# Allegro board gps_interface_boardv46ph.brd (continued)
## Routing (per net, layer and track width the routed paths; a pad name or vN(x,y) marks a point on that pad's centre or on a via; arc(x,y) is an arc through that point) (continued)
N361490: length 234.9
  TOP w0.17: U106.1 145.44,94.86 v1(145.44,95.78) ; v1(132.18,65.51) 132.18,66.29 134.44,68.56 U104.16
  TOP w0.203: U53.9 223.04,17.14 223.55,17.65 223.55,40.39 222.9,41.03 192.87,41.03 v1(189.76,44.15)
  SIG w0.17: v1(145.44,95.78) 146.58,95.78 148.13,94.23 148.13,67.28 146.35,65.51 v1(132.18,65.51) 127.76,65.51 124.94,68.33 114.45,68.33 110.92,64.8 110.92,53.11 114.33,49.71 148.69,49.71 150.47,51.49 187.15,51.49 189.76,48.87 v1(189.76,44.15)
N361502: length 239.7
  TOP w0.17: v1(149.4,93.95) 145.49,93.95 U106.2 ; v1(139.24,63.6) 138.29,64.55 U104.22
  TOP w0.203: U53.8 223.78,16.49 224.69,17.4 224.69,40.72 223.55,41.86 193.83,41.86 v1(191.52,44.17)
  SIG w0.17: v1(149.4,93.95) 148.95,93.5 148.95,64.95 147.6,63.6 v1(139.24,63.6) 126.92,63.6 122.94,67.59 115.57,67.59 111.46,63.47 111.46,53.34 114.33,50.47 148.59,50.47 150.09,51.97 154.79,51.97 155.88,53.06 188.05,53.06 191.52,49.6 v1(191.52,44.17)
N437368: length 14.4
  TOP w0.203: J17.P7 253.62,18.49 J17.P9 253.97,17.22 J17.P8 J17.P6
  BOTTOM w0.203: J17.P9 258.37,18.49 258.43,18.43 R254.2
N437754: length 12.1
  TOP w0.305: J17.P12 245.86,7.16 242.29,7.16 239.6,9.86 R43.2
N437768: length 17.4
  TOP w0.305: R39.2 261.72,17.14 260.78,16.21 260.78,8.74 259.28,7.24 256.59,7.24 J17.P13
N575036: length 5.7
  TOP w0.203: U19.1 91.34,113.89 89.53,115.7 v1(89.53,116.41)
  BOTTOM w0.203: v1(89.53,116.41) 88.87,115.75 R93.1
N575058: length 4.8
  TOP w0.203: U19.2 89.81,113.24 v1(89.64,113.41)
  BOTTOM w0.203: R94.1 89.23,114.38 89.64,113.97 v1(89.64,113.41)
N575080: length 8.1
  TOP w0.203: v1(96.39,112.8) 97.26,111.94 U19.21
  BOTTOM w0.203: v1(96.39,112.8) 97.28,111.91 R95.1
N576735: length 5.6
  TOP w0.203: v1(110.59,27.18) 111.33,27.92 U17.8
  BOTTOM w0.203: v1(110.59,27.18) 110.59,28.96 111.34,29.7 R81.1
N576751: length 4.9
  TOP w0.203: v1(108.18,26.97) 107.74,27.42 U18.8
  BOTTOM w0.203: R82.1 107.74,29.39 108.18,28.95 v1(108.18,26.97)
N635255: length 4.4
  TOP w0.305: D8.2 100.86,97.36 100.84,97.37 v1(99.51,97.37)
  BOTTOM w0.305: Q7.2 v1(99.51,97.37)
N635295: length 4
  TOP w0.305: D8.1 v1(103.19,100.23)
  BOTTOM w0.305: R37.1 103.21,100.04 103.19,100.06 v1(103.19,100.23)
N637994: length 4.9
  TOP w0.203: D15.2 90.46,14.51 90.47,14.51 90.47,13.36 88.84,11.73 Q12.2
N638034: length 4.4
  TOP w0.203: D15.1 v1(87.22,15.21)
  BOTTOM w0.203: R80.1 88.06,16.84 87.22,16 v1(87.22,15.21)
N638123: length 9.1
  TOP w0.203: U15.4 91.6,4.05 91.95,4.39 91.95,10.69 91.61,11.03 Q12.1
N638285: length 5.4
  TOP w0.203: U15.3 89.26,4.05 88.82,3.61 87.55,3.61 87.2,3.96 86.97,3.96 86.96,3.97 R78.2 85.39,3.97 85.36,3.99 R79.1
N638693: length 5
  TOP w0.203: D14.2 85.71,14.54 85.7,14.52 85.7,13.49 83.94,11.72 Q11.2
N638733: length 4.3
  TOP w0.203: v1(84.11,18.24) 84.11,18.23 D14.1
  BOTTOM w0.203: R74.1 v1(84.11,18.24)
N665913: length 2.1
  BOTTOM w0.203: R254.1 262.89,17.53 262.9,17.52 C123.2
N716600: length 2.2
  TOP w0.17: U107.3 137.8,93.76 137.92,93.88 138.18,93.88 138.3,93.76 U107.2
N717829: length 6.8
  TOP w0.203: U107.10 137.8,89.23 137.82,89.21 137.82,88.18 137.89,88.11 137.89,88.06
  TOP w0.33: 137.89,88.06 137.89,87.34 v1(138.25,86.98)
  BOTTOM w0.33: C2748.1 138.28,84.61 137.81,85.08 137.81,86.54 v1(138.25,86.98)
N717833: length 6.8
  TOP w0.203: 137.21,88.06 137.21,88.11 137.28,88.18 137.28,89.21 137.3,89.23 U107.9
  TOP w0.33: 137.21,88.06 137.21,87.36 v1(136.83,86.98)
  BOTTOM w0.33: v1(136.83,86.98) 137.27,86.54 137.27,85.08 136.8,84.61 C2747.1
N727253: length 10.5
  TOP w0.33: L22.1 185.42,25.63 C2750.1 C2749.1 185.52,21.53 QZ1.1 QZ1.6
N755111: length 8.3
  TOP w0.17: U48.8 108.61,80.13 R1540.1 108.02,80.33 107.72,80.04 105,80.04 103.71,81.33 103.27,81.33 C276.2
N755152: length 8.3
  TOP w0.17: U48.9 108.61,79.63 R1540.2 107.94,79.43 107.7,79.68 104.88,79.68 103.56,81 103.27,81 C277.2
N804236: length 2.1
  TOP w0.17: U100.B1 6.12,19.28 R2640.1
N804492: length 3
  TOP w0.17: R2650.1 3.94,21.06 U100.A2

## Copper pours and planes (outline as drawn; the poured copper is in the pictures)
12V_FANS on PWR2: 1.52,131.88 10.26,131.88 10.59,131.55 10.59,69.6 4.22,69.6 4.22,65.28 10.59,65.28 10.59,17.68 11.4,16.87 272.14,16.87 272.67,16.33 272.67,2.26 272.06,1.65 1.83,1.65 1.17,2.31 1.17,131.52
12V_FUSE on TOP: 30.73,27.18 61.01,27.18 61.47,26.72 61.47,14.15 61.01,13.69 49.71,13.69 49.71,21.82 49.66,21.77 30.73,21.77
12V_IN on TOP: 49.38,13.5 60.98,13.5 61.48,13 61.48,2 60.48,1 19.15,1 19.15,4.9 37.97,4.9 37.99,4.92 37.99,15.98 37.82,16.15 37.8,16.13 28.04,16.13 27.99,16.18 27.99,21.51 49.38,21.51
GND_IN on TOP: 19.15,27.18 30.2,27.18 30.2,21.77 27.64,21.77 27.64,15.93 37.21,15.93 37.24,15.9 37.24,10.41 19.15,10.41
GND_POWER on TOP (solid shape): 13.84,68.76 13.03,68.76 13.03,68.43 12.91,68.3 12.91,65.3 13.03,65.18 13.03,65.15 13.11,65.07 20.83,65.07 20.95,64.95 20.95,59.89 20.83,59.77 4.7,59.77 4.55,59.92 4.55,65.02 4.6,65.07 12.5,65.07 12.52,65.08 12.75,65.3 12.75,68.3 12.58,68.47 12.57,68.47 12.57,68.76 11.81,68.76 11.81,70.79 13.84,70.79
GND_POWER on TOP (solid shape): 45.29,50.83 44.48,50.83 44.48,50.49 44.35,50.37 44.35,47.37 44.48,47.25 44.48,47.22 44.55,47.14 52.27,47.14 52.4,47.02 52.4,41.96 52.27,41.83 36.14,41.83 35.99,41.99 35.99,47.09 36.04,47.14 43.94,47.14 43.97,47.15 44.19,47.37 44.19,50.37 44.02,50.54 44.02,50.54 44.02,50.83 43.26,50.83 43.26,52.86 45.29,52.86
GND_POWER on TOP (solid shape): 20.9,74.5 20.9,72.49 20.87,72.48 20.76,72.42 20.66,72.34 13.13,72.34 13.06,72.26 13.06,72.05 12.97,72.05 12.97,71.44 12.98,71.4 12.99,71.35 12.97,71.26 12.89,71.22 12.76,71.22 12.68,71.26 12.67,71.35 12.68,71.4 12.68,71.44 12.68,72.05 12.6,72.05 12.6,72.26 12.52,72.34 4.62,72.34 4.55,72.42 4.55,74.45 4.65,74.55 20.85,74.55
GND_POWER on TOP (solid shape): 104.22,93.95 104.22,91.08 104.09,90.96 100.03,90.96 99.96,91.03 99.86,91.05 99.06,91.05 98.96,91.02 98.88,90.94 98.86,90.91 98.86,89.97 98.78,89.97 98.73,89.92 98.73,87.93 93.6,87.93 93.52,88.01 93.52,88.88 96.95,88.88 97.15,89.08 97.15,90.02 97.07,90.1 97.07,90.2 97.06,90.26 97.03,90.32 97.02,90.35 97.03,90.38 97.06,90.44 97.07,90.5 97.07,90.82 97.1,90.85 97.1,92.46 96.9,92.66 93.52,92.66 93.52,93.98 93.62,94.08 104.09,94.08
GND_POWER on TOP: 14.78,21.49 18.9,21.49 18.9,18.77 14.78,18.77
GND_POWER on TOP: 56.57,70.74 60.73,70.74 60.93,70.54 60.93,65.53 60.71,65.3 56.64,65.3 56.39,65.56 56.39,70.56
GND_POWER on TOP: 43.99,87.2 43.99,86.21 44.04,86.16 44.4,86.16 44.45,86.21 44.45,87.2 44.53,87.27 52.25,87.27 52.3,87.33 52.3,89.43 52.25,89.48 36.04,89.48 35.94,89.38 35.94,87.35 36.02,87.27 43.92,87.27
GND_POWER on TOP: 53.19,57.51 65.3,57.51 65.53,57.28 65.53,54.53 65.41,54.41 44.58,54.41 44.5,54.33 44.5,53.34 44.45,53.29 44.09,53.29 44.04,53.34 44.04,54.33 43.97,54.41 36.07,54.41 35.99,54.48 35.99,56.52 36.09,56.62 52.3,56.62
GND_POWER on TOP: 56.36,80.75 56.36,85.75 56.54,85.93 62.92,85.93 63.17,85.67 63.17,80.64 63.02,80.49 56.62,80.49
GND_POWER on TOP: 1.22,34.54 25.76,34.54 25.76,57.15 1.22,57.15
GND_POWER on TOP: 19.56,33.15 30.2,33.15 30.2,27.41 19.15,27.41 19.15,32.74
GND_POWER on TOP: 43.23,70.87 45.26,70.87 45.26,68.83 44.45,68.83 44.45,65.23 44.53,65.15 52.25,65.15 52.37,65.02 52.37,59.97 52.25,59.84 36.12,59.84 35.97,59.99 35.97,65.1 36.02,65.15 43.92,65.15 43.99,65.23 43.99,68.83 43.23,68.83
GND_POWER on TOP: 43.13,85.8 45.31,85.8 45.31,83.62 44.42,83.62 44.42,80.09 44.5,80.01 52.22,80.01 52.35,79.88 52.35,72.49 52.27,72.42 44.55,72.42 44.48,72.34 44.48,71.35 44.42,71.3 44.07,71.3 44.02,71.35 44.02,72.34 43.94,72.42 36.04,72.42 35.97,72.49 35.97,72.52 35.94,72.54 35.94,79.96 35.99,80.01 43.89,80.01 43.97,80.09 43.97,83.62 43.13,83.62
GND_POWER on GND1: 1.85,150.47 302.92,150.47 302.92,2 1.85,2
GND_POWER on GND2: 302.92,1.98 1.98,1.98 1.98,150.47 302.92,150.47 ; 1 cut-out
GND_POWER on GND3: 2,150.47 302.92,150.47 302.92,2 2,2 ; 1 cut-out
VCC2V5 on TOP (solid shape): 96.85,92.35 96.85,91.05 96.07,91.05 95.98,91.03 95.91,90.98 95.16,90.98 95,91.06 94.82,91.08 94.62,91.05 94.44,90.94 94.42,90.93 94.28,90.93 94.26,90.91 94.26,90.67 94.26,90.67 94.23,90.5 94.26,90.33 94.26,90.33 94.26,90.02 94.28,89.99 94.53,89.99 94.54,89.99 94.67,89.93 94.82,89.92 94.97,89.93 95.11,89.99 95.87,89.99 95.87,89.85 95.92,89.71 96.07,89.65 96.89,89.65 96.89,89.17 96.85,89.13 93.57,89.13 93.52,89.18 93.52,92.35 93.57,92.41 96.8,92.41
VCC2V5 on TOP: 52.78,54 65.35,54 65.53,53.82 65.53,47.52 65.38,47.37 52.6,47.37 52.45,47.52 52.45,53.67
VCC2V5 on PWR2: 32.26,129.18 155.02,129.18 155.5,128.7 155.5,98.83 155.91,98.42 293.67,98.42 293.67,48.49 293.24,48.06 267.03,48.06 266.75,47.78 266.75,29.97 267.16,29.57 293.55,29.57 293.67,29.44 293.67,18.14 293.5,17.96 31.88,17.96 31.88,128.8 ; 1 cut-out
VCC3V3 on TOP: 56.46,79.65 62.94,79.65 63.17,79.43 63.17,71.83 62.99,71.65 56.64,71.65 56.39,71.91 56.39,79.58
VCC3V3 on PWR1: 45.52,88.54 1.57,88.54 1.22,88.9 1.22,149.78 2.41,150.98 302.49,150.98 303.1,150.37 303.1,2.03 302.59,1.52 46.38,1.52 45.85,2.06 45.85,88.21 ; 1 cut-out
VCC5V on TOP (solid shape): 27.79,70.87 27.79,65.41 27.68,65.3 23.48,65.3 23.11,65.43 22.75,65.3 21.18,65.3 21.18,71.02 27.64,71.02
VCC5V on PWR2: 147.83,150.9 147.96,151.03 148.01,150.98 300.51,150.98 300.53,151 302.49,151 303.15,150.34 303.15,2.51 302.34,1.7 274.12,1.7 273.41,2.41 273.41,16.66 273.99,17.25 293.8,17.25 294.34,17.78 294.34,29.46 293.8,30 268.3,30 267.49,30.81 267.49,46.89 268.05,47.45 293.4,47.45 293.42,47.42 294.89,47.42 295.4,47.93 295.4,119.3 157.12,119.3 156.84,119.58 156.84,128.78 155.98,129.64 31.67,129.64 31.62,129.69 31.29,129.36 31.29,66.04 16.21,66.04 16.21,71.04 11.66,71.04 11.66,131.85 11.1,132.41 1.22,132.41 1.22,150.47 1.65,150.9
VCCR_SFP INTERFACE_SFP1 on PWR2: 275.11,118.75 284.45,118.75 284.66,118.54 284.66,98.83 284.48,98.65 275.11,98.65 274.9,98.86 274.9,118.54
VCCR_SFP INTERFACE_SFP2 on PWR2: 252.98,118.75 262.33,118.75 262.53,118.54 262.53,98.86 262.36,98.68 252.98,98.68 252.78,98.88 252.78,118.54
VCCR_SFP INTERFACE_SFP3 on PWR2: 230.68,118.72 240.03,118.72 240.23,118.52 240.23,98.86 240.06,98.68 230.68,98.68 230.48,98.88 230.48,118.52
VCCR_SFP INTERFACE_SFP4 on PWR2: 201.5,118.72 210.85,118.72 211.05,118.52 211.05,98.88 210.87,98.7 201.5,98.7 201.29,98.91 201.29,118.52
VCCR_SFP INTERFACE_SFP5 on PWR2: 179.25,118.72 188.59,118.72 188.8,118.52 188.8,113.84 188.82,113.82 188.82,98.88 188.65,98.7 179.27,98.7 179.07,98.91 179.07,113.64 179.04,113.67 179.04,118.52
VCCR_SFP INTERFACE_SFP6 on PWR2: 157.05,118.72 166.4,118.72 166.6,118.52 166.6,98.86 166.42,98.68 157.05,98.68 156.84,98.88 156.84,118.52
VCCT_SFP INTERFACE_SFP1 on PWR2: 285.04,118.75 294.39,118.75 294.59,118.54 294.59,98.83 294.41,98.65 285.04,98.65 284.84,98.86 284.84,118.54
VCCT_SFP INTERFACE_SFP2 on PWR2: 262.99,118.75 272.34,118.75 272.54,118.54 272.54,98.86 272.36,98.68 262.99,98.68 262.79,98.88 262.79,118.54
VCCT_SFP INTERFACE_SFP3 on PWR2: 240.69,118.69 250.04,118.69 250.24,118.49 250.24,98.86 250.06,98.68 240.69,98.68 240.49,98.88 240.49,118.49
VCCT_SFP INTERFACE_SFP4 on PWR2: 211.51,118.72 220.85,118.72 221.06,118.52 221.06,98.88 220.88,98.7 211.51,98.7 211.3,98.91 211.3,118.52
VCCT_SFP INTERFACE_SFP5 on PWR2: 189.26,118.72 198.6,118.72 198.81,118.52 198.81,98.88 198.63,98.7 189.26,98.7 189.05,98.91 189.05,118.52
VCCT_SFP INTERFACE_SFP6 on PWR2: 167.06,118.72 176.4,118.72 176.61,118.52 176.61,98.86 176.43,98.68 167.06,98.68 166.85,98.88 166.85,118.52
VDD_FILT on TOP: 99.77,90.86 105.41,90.86 105.49,90.78 105.49,89.26 105.36,89.13 98.91,89.13 98.86,89.18 98.86,89.81 98.91,89.87 99.72,89.87 99.72,90.81
VDD_FILT on PWR2: 97.21,94.39 109.09,94.39 109.42,94.06 109.42,85.78 109.8,85.39 119.63,85.39 119.84,85.19 119.84,74.45 119.61,74.22 104.24,74.22 104.04,74.42 104.04,76.45 105.94,78.36 109.52,78.36 109.8,78.64 111.38,78.64 111.56,78.82 111.56,80.77 111.2,81.13 109.86,81.13 109.47,81.51 105.89,81.51 101.24,86.16 96.93,86.16 96.93,94.11
(no net) on TOP: 96.85,89.13 93.57,89.13 93.52,89.18 93.52,92.35 93.57,92.41 96.8,92.41 96.85,92.35 96.85,90.96 96.82,90.93 94.28,90.93 94.26,90.91 94.26,90.02 94.28,89.99 96.82,89.99 96.9,89.92 96.9,89.18
(no net) on TOP: 18.03,71.02 20.83,71.02 20.93,70.92 20.93,65.46 20.8,65.33 13.23,65.33 13.16,65.41 13.16,68.2 13.18,68.22 14.35,68.22 14.38,68.25 14.38,69.42 14.4,69.44 17.81,69.44 17.96,69.6 17.96,70.94
(no net) on TOP: 11.81,70.79 13.84,70.79 13.84,68.76 13.03,68.76 13.03,65.15 13.11,65.07 20.83,65.07 20.95,64.95 20.95,59.89 20.83,59.77 4.7,59.77 4.55,59.92 4.55,65.02 4.6,65.07 12.5,65.07 12.57,65.15 12.57,68.76 11.81,68.76
(no net) on TOP: 21.01,70.87 21.01,65.46 21.16,65.3 27.69,65.3 27.79,65.41 27.79,70.87 27.64,71.02 21.16,71.02
(no net) on TOP: 36.04,51.51 42.67,51.51 42.72,51.46 42.72,50.37 42.8,50.29 43.92,50.29 43.94,50.27 43.94,47.47 43.87,47.4 36.04,47.4 35.99,47.45 35.99,51.46
(no net) on TOP: 98.73,87.93 93.6,87.93 93.52,88.01 93.52,88.98 93.57,89.03 96.93,89.03 96.98,89.08 96.98,92.51 96.9,92.58 93.52,92.58 93.52,93.98 93.62,94.08 104.09,94.08 104.22,93.95 104.22,91.08 104.09,90.96 98.91,90.96 98.86,90.91 98.86,89.99 98.88,89.97 98.78,89.97 98.73,89.92
(no net) on TOP: 12.6,72.26 12.6,71.27 12.65,71.22 13,71.22 13.06,71.27 13.06,72.26 13.13,72.34 20.85,72.34 20.9,72.39 20.9,74.5 20.85,74.55 4.65,74.55 4.55,74.45 4.55,72.42 4.62,72.34 12.52,72.34
(no net) on TOP: 43.26,52.86 45.29,52.86 45.29,50.83 44.48,50.83 44.48,47.22 44.55,47.14 52.27,47.14 52.4,47.02 52.4,41.96 52.27,41.83 36.14,41.83 35.99,41.99 35.99,47.09 36.04,47.14 43.94,47.14 44.02,47.22 44.02,50.83 43.26,50.83
(no net) on TOP: 4.6,69.44 11.23,69.44 11.28,69.39 11.28,68.3 11.35,68.22 12.47,68.22 12.5,68.2 12.5,65.41 12.42,65.33 4.6,65.33 4.55,65.38 4.55,69.39
(no net) on TOP: 49.48,53.09 52.27,53.09 52.37,52.98 52.37,47.52 52.25,47.4 44.68,47.4 44.6,47.47 44.6,50.27 44.63,50.29 45.8,50.29 45.82,50.32 45.82,51.49 45.85,51.51 49.25,51.51 49.4,51.66 49.4,53.01
Net_72 on GND1: 101.14,85.9 95.28,85.9 94.44,85.06 94.44,73 95.38,72.06 101.12,72.06 103.78,74.73 103.78,76.56 105.84,78.61 109.42,78.61 109.7,78.89 111.15,78.89 111.3,79.04 111.3,80.67 111.1,80.87 109.75,80.87 109.37,81.25 105.79,81.25
VP3V3 on TOP: 52.83,85.95 55.88,85.95 56.08,85.75 56.08,65.63 55.85,65.41 52.81,65.41 52.6,65.61 52.6,70.89 52.58,70.92 52.58,80.57 52.6,80.59 52.6,85.72
VP3V5 on TOP (solid shape): 42,51.49 42.61,51.49 42.69,51.5 42.72,51.46 42.72,50.37 42.8,50.29 43.82,50.29 43.89,50.26 43.92,50.19 43.92,49.57 43.94,49.57 43.94,47.47 43.87,47.4 36.04,47.4 35.99,47.45 35.99,51.46 36.04,51.51 42,51.51
VP3V5 on TOP: 35.99,84.38 42.62,84.38 42.67,84.33 42.67,83.24 42.75,83.16 43.87,83.16 43.89,83.13 43.89,80.34 43.81,80.26 35.99,80.26 35.94,80.31 35.94,84.33
VP3V5 on TOP: 36.02,69.52 42.65,69.52 42.7,69.47 42.7,68.38 42.77,68.3 43.89,68.3 43.92,68.28 43.92,65.48 43.84,65.41 36.02,65.41 35.97,65.46 35.97,69.47
VP3V5 on TOP: 21.44,37.9 21.44,53.59 21.64,53.8 27.69,53.8 27.91,53.57 27.91,37.87 27.71,37.67 21.67,37.67
VP3V5 on PWR1: 1.68,88.32 44.04,88.32 44.55,87.81 44.55,37.59 43.95,36.99 23.49,36.99 22.49,37.99 22.49,53.45 22.48,53.47 22.48,54.81 21.79,55.5 1.37,55.5 1.22,55.65 1.22,87.86
VP5V on TOP (solid shape): 20.93,70.92 20.93,65.46 20.8,65.33 13.23,65.33 13.16,65.41 13.16,67.5 13.18,67.5 13.18,68.12 13.21,68.19 13.28,68.22 14.35,68.22 14.38,68.25 14.38,68.82 14.41,68.89 14.48,68.92 14.49,68.92 15.1,68.92 15.1,69.44 17.81,69.44 17.96,69.6 17.96,69.71 18,69.79 18.1,69.8 18.22,69.76 18.34,69.75 18.75,69.92 18.93,70.33 18.85,70.62 18.65,70.83 18.61,70.94 18.71,71.01 20.37,71.01 20.42,71 20.47,71 20.53,71 20.59,71.02 20.83,71.02
VP5V5 on TOP (solid shape): 10.55,69.42 11.16,69.42 11.24,69.43 11.28,69.39 11.28,68.3 11.35,68.22 12.37,68.22 12.45,68.19 12.47,68.12 12.47,67.5 12.5,67.5 12.5,65.41 12.42,65.33 4.6,65.33 4.55,65.38 4.55,69.39 4.6,69.44 10.55,69.44
VP5V5 on TOP: 18.9,25.88 14.78,25.88 14.78,22.4 18.9,22.4
VP5V5 on PWR2: 15.57,69.34 15.57,22.2 10.97,22.2 10.97,65.35 10.9,65.35 10.9,65.53 4.47,65.53 4.47,69.34
VP12V on TOP: 12.09,49.05 12.09,47.09 12.04,47.04 10.72,47.04 10.67,47.09 10.67,49.1 10.03,49.73 10.03,52.93 10.26,53.16 12.47,53.16 12.7,52.93 12.7,49.66
VP12V on TOP: 30.73,33.15 41.43,33.15 42.06,32.51 42.06,27.41 30.73,27.41
VP12V on TOP: 10.67,42.09 10.67,44.04 10.72,44.09 12.04,44.09 12.09,44.04 12.09,42.04 12.73,41.4 12.73,38.2 12.5,37.97 10.29,37.97 10.06,38.2 10.06,41.48
VP12V on PWR1: 3.5,53.99 19.99,53.99 21.49,52.49 21.49,37.99 22.99,36.49 43.98,36.49 44.53,35.94 44.53,25.48 44.5,25.45 44.5,2.01 43.46,0.97 34.39,0.97 34.39,1 9,1 8,2 8,6.5 7,7.5 3,7.5 2,8.5 2,52.49
N140138 on TOP: 14.1,44.68 14.1,46.96 14.17,47.04 15.24,47.04 15.47,47.27 15.47,47.96 15.57,48.06 18.57,48.06 18.75,47.88 18.75,43.13 18.62,43 15.6,43 15.49,43.1 15.49,44.32 15.21,44.6 14.17,44.6
N146225 on TOP: 49.45,71.09 52.25,71.09 52.35,70.99 52.35,65.53 52.22,65.41 44.65,65.41 44.58,65.48 44.58,68.28 44.6,68.3 45.77,68.3 45.8,68.33 45.8,69.49 45.82,69.52 49.23,69.52 49.38,69.67 49.38,71.02
N185241 on TOP: 52.2,84.38 45.8,84.38 45.77,84.35 45.77,83.19 45.75,83.16 44.58,83.16 44.55,83.13 44.55,80.34 44.63,80.26 52.2,80.26 52.32,80.39 52.32,84.25
N279924 on TOP (solid shape): 52.37,52.98 52.37,49.74 51.33,49.74 51.31,49.74 51.27,49.74 51.23,49.72 51.2,49.7 51.17,49.67 51.15,49.64 51.13,49.6 51.13,49.56 51.13,49.54 51.13,48.14 51.13,48.12 51.13,48.09 51.15,48.05 51.17,48.02 51.2,47.99 51.23,47.97 51.27,47.95 51.31,47.94 51.33,47.94 52.37,47.94 52.37,47.52 52.25,47.4 44.68,47.4 44.6,47.47 44.6,49.57 44.62,49.57 44.63,50.23 44.64,50.25 44.66,50.27 44.69,50.28 44.73,50.29 45.8,50.29 45.82,50.32 45.82,51.39 45.83,51.43 45.84,51.45 45.86,51.47 45.89,51.48 46.55,51.49 46.55,51.51 49.25,51.51 49.4,51.66 49.4,52.3 49.4,52.31 49.41,52.34 49.43,52.36 49.45,52.38 49.47,52.4 49.5,52.4 49.53,52.4 49.56,52.39 49.59,52.36 49.65,52.32 49.71,52.29 49.77,52.27 49.84,52.26 49.9,52.25 49.97,52.25 50.04,52.26 50.11,52.27 50.18,52.3 50.24,52.33 50.3,52.37 50.35,52.42 50.4,52.47 50.44,52.53 50.46,52.57 50.75,52.57 50.75,51.17 50.75,51.15 50.76,51.11 50.77,51.07 50.8,51.04 50.82,51.01 50.86,50.99 50.89,50.97 50.93,50.97 50.95,50.97 52.05,50.97 52.07,50.97 52.11,50.97 52.15,50.99 52.18,51.01 52.21,51.04 52.23,51.07 52.24,51.11 52.25,51.15 52.25,51.17 52.25,52.57 52.25,52.59 52.24,52.63 52.23,52.66 52.21,52.69 52.18,52.72 52.15,52.74 52.11,52.76 52.07,52.77 52.05,52.77 50.95,52.77 50.93,52.77 50.89,52.76 50.86,52.74 50.82,52.72 50.8,52.69 50.77,52.66 50.76,52.63 50.75,52.59 50.75,52.57 50.46,52.57 50.47,52.59 50.5,52.66 50.51,52.73 50.52,52.8 50.52,52.86 50.51,52.93 50.5,52.98 50.51,53.01 50.52,53.04 50.54,53.06 50.56,53.08 50.59,53.09 50.61,53.09 52.27,53.09

## Text on the board
Ref Des/Silkscreen Bottom: LIGHT BAR | LPF-C031-303S | FMC CONN | 5.0V | 3.3V | 2.5V
Ref Des/Silkscreen Top: 5.5V PWR GOOD | FAN +12V | (+) | 5V PWR GOOD | GPS CLOCK | G | VCC5V | SYNC | (-) | 5.5V PWR | 3.3V PWR GOOD | 2.5V PWR GOOD | 12V MAIN | 12V FUSE | PPS | 12V SW | USE 4A FUSE | VCC3V3 | VCC2V5 | IRIG | SCL | FPGA PWR GOOD | 3 | SDA | 2 | 1 | 0 | 1.8V PWR GOOD | INPUT LEVEL | OVERVOLTAGE | FPGA I/O | 3.3V | 5V | CLK LOL | 1.8V | CLOCK GEN OUT | MAIN | 6 | 5 | 4 | RJ45 CM | SPARE RJ45 | LEMO | 5.0V | OUT | IN | SPARE I/O | GND | BNC | 12VDC (4A) | SFP 7 - pls chk | LOS/FAULT | SFP | LOS/LOL | CDR | SFP 6 | SFP 5 | SFP 4 | SFP 3 | SFP 2 | LEMO_1 | LEMO_0 | BNC_0 | BNC_1 | SFP 1 | J Klein | J Sensenig | R Van Berg | G Mayers | GPS INTERFACE BOARD | July 2020 | S Trilov | D Cussans
XSECTION_CHART: *  SURFACE | L1 TOP CONDUCTOR | *  DIELECTRIC | L2 GND1 PLANE | L3 PWR1 CONDUCTOR | L4 GND2 PLANE | L5 SIG CONDUCTOR | L6 PWR2 CONDUCTOR | L7 GND3 PLANE | L8 BOTTOM CONDUCTOR | DESIGN CROSS SECTION CHART | ___________________________ | TOTAL THICKNESS 59.6 MIL | 1-8 | 1-1
BODY_CENTER: FIGURE | FINISHED_SIZE | 10.0 | 11.81 | 33.46 | 35.04 | 37.4 | 38.58 | 39.37 | 40.0 | 41.34 | 50.39 | 64.96 | 66.14 | 79.13 | 106.0 | 51.2 | 61.02 | 131.1 | 130.0x90.0 | ROTATION | - | 90.000 | DRILL CHART: TOP to BOTTOM | ALL UNITS ARE IN MILS | TOLERANCE_DRILL | +0.0/-0.0 | +2.0/-2.0 | +3.0/-3.0 | +10.0/-0.0 | TOLERANCE_TRAVEL | PLATED | NON-PLATED | QTY | 1768 | 30 | 297 | 6 | 8 | 54 | 10 | 73 | 12 | 28 | 60 | 4 | 2 | 11
DISPLAY_BOTTOM: FIGURE | FINISHED_SIZE | 10.0 | ROTATION | - | DRILL CHART: TOP to TOP | ALL UNITS ARE IN MILS | TOLERANCE_DRILL | +5.0/-5.0 | TOLERANCE_TRAVEL | PLATED | QTY | 2
